# Altium PCB HealthSensors.PcbDoc (continued)
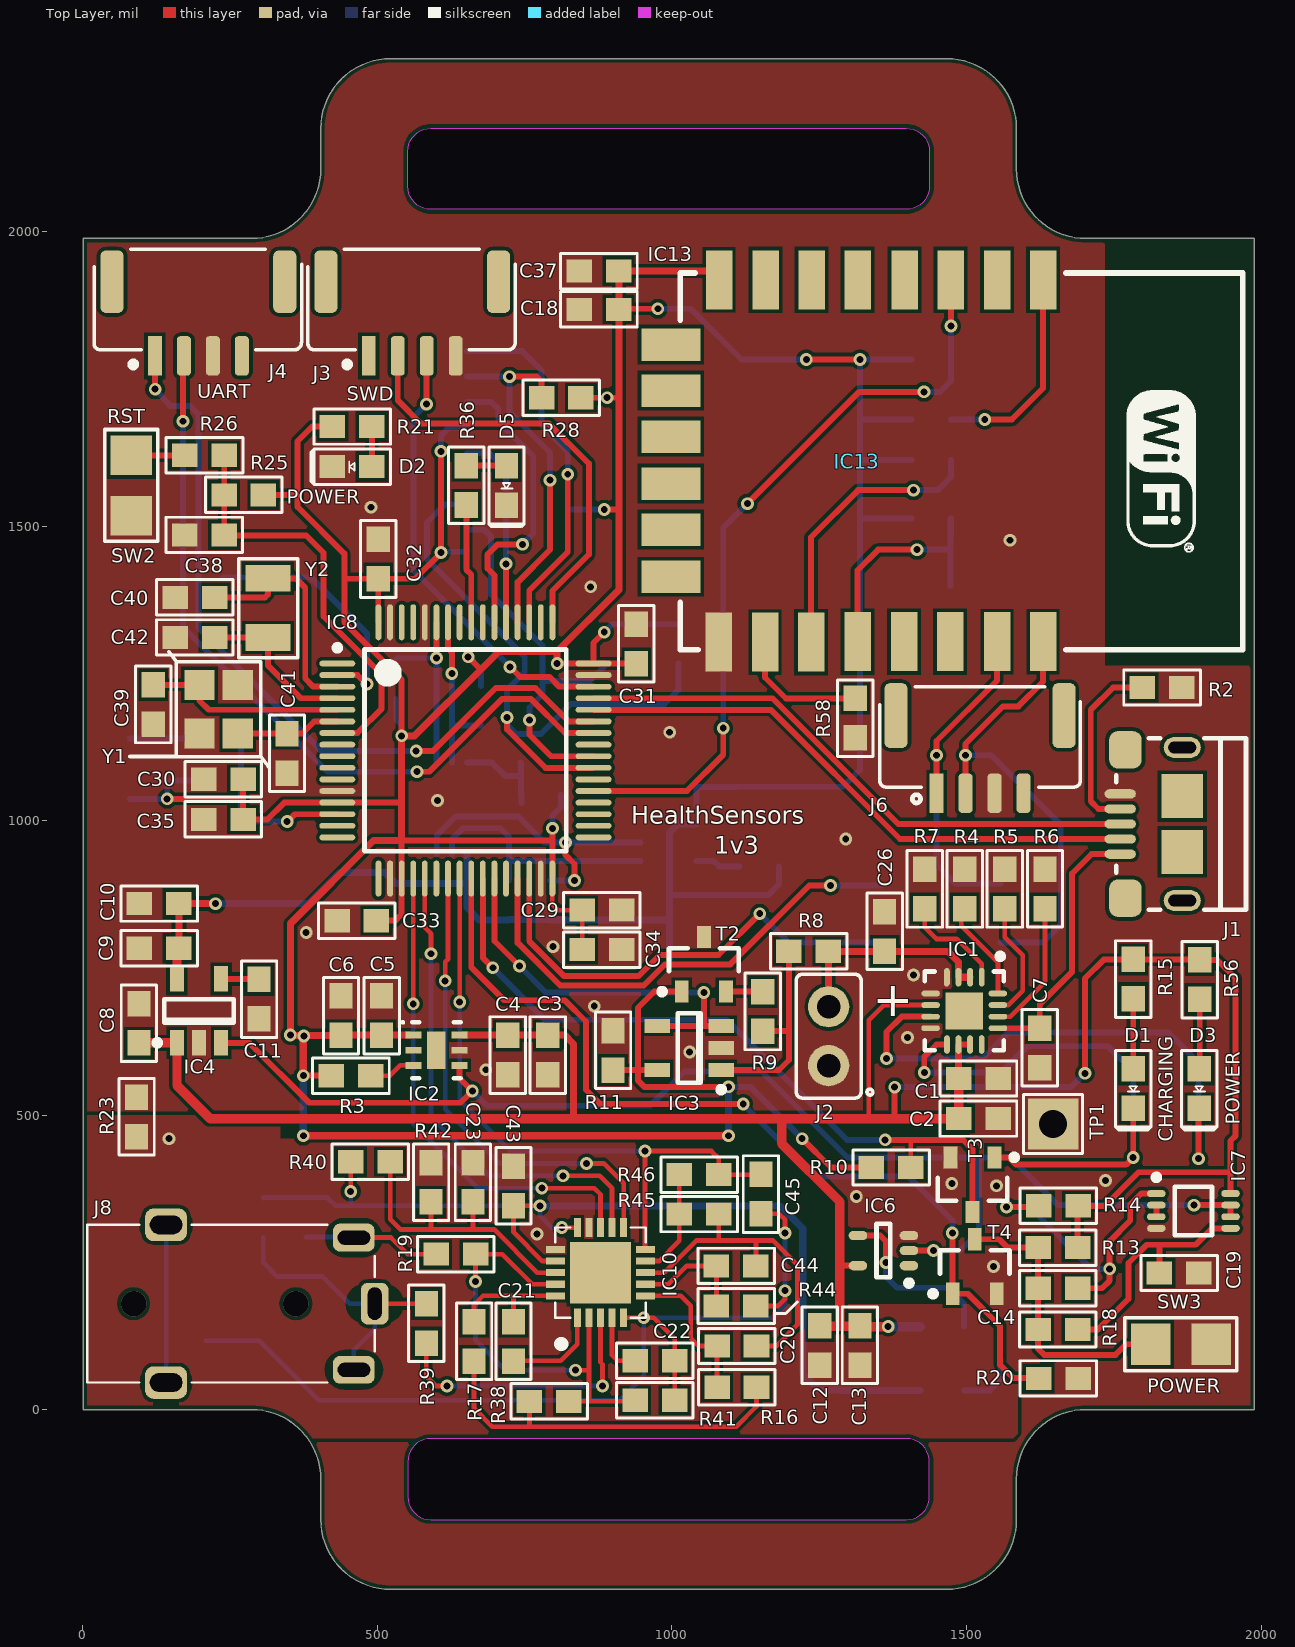
[diagram p0: Top Layer view]
## Part data
C1 C2 C3 C4 C5 C6 C7 C8 C9 C10 C11 C12 C13 C14 C15 C16 C17 C18 C19 C20 C21 C22 C23 C24 C25 C26 C27 C28 C29 C30 C31 C32 C33 C34 C35 C36 C37 C38 C39 C40 C41 C42 C43 C44 C45 C59: library part Capacitor, "SMT Capacitor"
D1 D2 D3 D5: library part LED, "Chip LED"
IC1: library part "TI BQ24232", "USB Friendly 0.5A Li+ Charger w/ Dynamic Power Management"
IC2: library part "TI LP5912-3.3V", "50 mA, 3 V TO 50 V, MICROPOWER, LOW-DROPOUT LINEAR REGULATOR"
IC3: "Op amp"
IC4: library part "TI TPS799", "TPS799 200-mA, Low-Quiescent Current, Ultralow Noise, High-PSRR Low-Dropout Linear  Regulator"
IC5: library part "TI TPS79133DBVREP", "ULTRALOW NOISE, HIGH PSRR, FAST RF, 100-mA  LOW-DROPOUT LINEAR REGULATORS"
IC6: "Inverter"
IC7: "Dual 2-Input NAND Gate With Schmitt-Trigger Inputs"
IC8: "STM32 ARM-based 32-bit MCU with 32 Kbytes Flash, 64-pin LQFP", Package=LQFP64, ComponentLink1Description=http://www.st.com/content/ccc/resource/technical/document/datasheet/ee/d5/84/2b/a9/ae/44/3d/DM00039232.pdf/files/DM00039232.pdf/jcr:content/translations/en.DM00039232.pdf, ComponentLink1URL=http://www.st.com/stonline/products/literature/ds/13586.pdf
IC9: "Pulse Oximeter and Heart-Rate Sensor"
IC10: "Single-Lead, Heart Rate Monitor Front End"
IC11: "Dual Bidirectional I2C Bus and SMBus Voltage-Level Translator"
IC13: library part ESP-12E, "Wifi module, esp12-e, based on ESP8266 chip"
J1: library part "USB 2.0 Type B Micro", "Micro usb"
J2: "2 pin header, male"
J3 J4: "Zlacze GH, meskie, poziome, 4 piny, SMD"
J5: library part "Hirose DM3 MicroSD", "Micro sd card slot"
J6: "Zlacze GH, meskie, proste, 4 piny, SMD"
J7: library part "harvin vertical smt header - single", "2 pin vertical connection smt harvin"
J8: library part "CLIFF FC68127 3.5mm", "Jack 3,5mm, dock, female"
J9: library part "harvin vertical smt header - double", "4 pin vertical connection smt harvin"
R1 R2 R3 R4 R5 R6 R7 R8 R9 R10 R11 R12 R13 R14 R15 R16 R17 R18 R19 R20 R21 R22 R23 R24 R25 R26 R27 R28 R29 R30 R31 R32 R33 R34 R35 R36 R37 R38 R39 R40 R41 R42 R43 R44 R45 R46 R51 R52 R53 R54 R56 R57 R58: library part Resistor, "SMDResistor"
SW1 SW2 SW3: library part "BUTTON-NO 2 PIN Small", "Button, SMD, Small, 2.5x3mm"
T2 T3 T4: library part N-MOSFET, "Unipolar transistor N-MOSFET"
Y1: library part "Resonator (4pin)", "Resonator"
Y2: library part Resonator, "Resonator"

## Via types
v1: diameter 21.65, hole 11.81, Top Layer to Bottom Layer, 108 vias
v2: diameter 43.31, hole 43.31, Top Layer to Bottom Layer, 2 vias

## Nets (pads, with @x,y where several pads share a name; then routed paths per layer and width w, separated by ;. In a path a pad name is that pad's centre, name@x,y a point inside that pad or via, vN(x,y) a via of type N, cw(c..) or ccw(c..) an arc to the next point about the centre after c; other vN are vias at no path point)
AGND: C12.1 C13.1 C15.1 C16.1 C17.1 C23.1 C43.1 IC5.2 IC10.14 IC10.16 R23.1 R42.1
  other v1: 771,298 146,460
AVCC: C16.2 C17.2 C43.2 IC5.5 IC10.15 IC10.17 R1.2 R12.1 R40.1 | length 1740.5
  Top Layer w8: v1(454.54,370.46) R40.1 ; C43.2@731,346 731,301 779.81,252.19 IC10.17 ; C43.2 731.53,346 v1(776,346) ; v1(813,309) IC10.15
  Bottom Layer w8: R1.2 306.53,360 R12.1 415,360 429,346 454.54,346 ; v1(454.54,370.46) 454.54,346 ; v1(813,309) 796,309 776,329 v1(776,346) 454.54,346 ; C17.2 C17.2@1286.8,32.73
  Bottom Layer w12: v1(776,346) 1183.52,346 1222,307.52 1222,61 1249.47,33.53 C17.2 ; C17.2@1286.8,32.73 IC5.5
BAT_CHG: IC8.26 R10.1 T3.3 | length 1253.8
  Top Layer w8: R10.1 1405.46,457.46 1406,458
  Top Layer w10: IC8.26 678.83,767.17 v1(695.8,750.2) ; v1(1362,458) 1406,458 1494,458 1510,442 T3.3
  Bottom Layer w10: v1(695.8,750.2) 784,662 1093,662 1297,458 v1(1362,458)
BAT_LVL: IC3.3 IC3.4 IC8.27 | length 662.5
  Top Layer w10: IC8.27 698.51,795.64 v1(741,753.15) ; IC3.4 1054,651.55 ; v1(1054,708) 1054,651.55 ; IC3.3 1054,651.55
  Bottom Layer w10: v1(741,753.15) 786.15,708 v1(1054,708)
DVCC: C9.2 C10.2 C27.2 C28.2 IC4.5 IC9.11 IC11.2 R51.2 R52.2 R53.2 | length 1595.7
  Top Layer w10: C9.2@159.6,779.98 C9.2 ; C10.2@162.77,859 C10.2
  Top Layer w12: C9.2 162.77,859 v1(225,859)
  Top Layer w15: IC4.5 C9.2@159.6,779.98
  Bottom Layer w10: R53.2 R53.2@723.47,832 ; C28.2@995.06,831.53 C28.2 ; 995.53,874 1164,874 1181.47,891.47 R51.2
  Bottom Layer w12: v1(225,859) 383,859 436,912 512,912 531,893 651,893 ; IC11.2 651.8,852.2 672.47,831.53 R53.2 ; R53.2@723.47,832 R52.2@807.3,832 ; R52.2 C28.2@995.06,831.53 ; C27.2 C28.2 995.53,874 995.53,979.53 1010.25,994.25 IC9.11
GND: C1.1 C2.1 C3.1 C4.1 C5.1 C6.1 C7.1 C8.1 C9.1 C10.1 C11.1 C18.1 C19.1 C24.1 C25.1 C26.1 C27.1 C28.1 C29.1 C30.1 C31.1 C32.1 C33.1 C34.1 C35.1 C37.1 C38.1 C39.1 C40.1 C41.1 C42.1 C59.1 D2.2 D5.2 IC1.4 IC1.5 IC1.8 IC2.5 IC3.2 IC4.2 IC6.3 IC7.4 IC8.12 IC8.18 IC8.31 IC8.47 IC8.60 IC8.63 IC9.4 IC9.12 IC11.1 IC13.15 J1.5 J2.1 J3.4 J4.3 J5.6 J5.S J6.3 J7.1 R2.1 R4.1 R5.1 R6.1 R7.1 R11.1 R20.1 R23.2 R27.1 R58.1 SW2.2 SW3.2 T2.3 T3.2 T4.2 TP1.1 Y1.2 Y1.4
  other v1: 1546,243 1313,362 1551,380 1475,384 1736,389 684,577 1030,607 1400,632 868,685 1410,738 798,786 379,810 1295,969 602,1034 996,1150 862,1397 1574,1476 489,1532
NetC1_2: C1.2 C2.2 C3.2 C4.2 C8.2 C12.2 C13.2 IC1.6 IC1.10 IC1.11 IC2.6 IC4.1 IC5.1 IC6.5 IC7.8 R13.2 R14.2 R15.1 R56.2 | length 4391.9
  Top Layer w8: 561.18,494.15 561.95,494.92 ; 1334,494.15 1334,661 1359.83,686.83 IC1.6
  Top Layer w10: IC4.1@159.26,622.53 IC4.1 ; 520.3,491.45 523,494.15 ; 1118.15,493.3 1119,494.15 ; 1285,244 1285.41,244.41 IC6.5 ; C13.2@1325.53,141.47 C13.2@1326,141 ; v1(1378,547.53) 1378,495.15 1379,494.15 ; C1.2@1486.37,562.61 C1.2 ; IC1.10 IC1.11 ; R13.2 1688.47,345 R14.2 1735,346 1792,403 1948.3,403 ; v1(1701,571) 1701,732 1733,764 1895.47,764 R56.2 1925.53,763.47 1957,732 1957,465 1948.3,456.3 1948.3,403 ; IC7.8 1948.3,403
  Top Layer w12: IC2.6 818.26,635.74 833,621 833,494.15 ; C1.2@1486.37,562.61 IC1.10
  Top Layer w16: C8.2 IC4.1@159.26,622.53 ; IC4.1 159.6,550.4 215.85,494.15 523,494.15 561.18,494.15 833,494.15 1119,494.15 1186,494.15 ; C12.2@1253,141.47 C13.2@1325.53,141.47 ; 1285,142 1285,244 1285,353 1186,452 1186,494.15 ; C13.2@1326,141 v1(1367,141) ; 1332,494.15 1186,494.15 ; 1334,494.15 1379,494.15 C2.2 C1.2
  Bottom Layer w10: v1(1378,547.53) 1677.53,547.53 v1(1701,571)
  Bottom Layer w16: v1(1367,141) IC5.1
NetC7_2: C7.2 IC1.13 J1.1 | length 441.1
  Top Layer w10: IC1.13@1563.86,647.54 1624.22,647.54 C7.2 1624.3,688.15 1679.3,743.15 1679.3,910.15 1712.22,943.07 J1.1
NetC11_2: C11.2 IC4.4 | length 64.9
  Top Layer w10: IC4.4 298.34,731.13 C11.2
NetC14_1: C14.1 R13.1 R18.2 SW3.1 T4.3 | length 488
  Top Layer w10: T4.3 1555.74,289.26 1570,275 R13.1 C14.1 R18.2 1621.53,103.47 1632,93 1753,93 1771,111 SW3.1
NetC14_2: C14.2 IC7.1 R14.1 | length 529.4
  Top Layer w10: v1(1568,344) 1620.54,344 R14.1 ; C14.2 1730,206 1743,219 v1(1743,239) 1743,286 1778,321 1778,348 1796.83,366.83 IC7.1
  Bottom Layer w10: v1(1568,344) 1607,344 1712,239 v1(1743,239)
NetC15_2: C15.2 IC5.4 | length 105.1
  Bottom Layer w10: IC5.4 1539.73,32.73 1558,51 C15.2
NetC19_2: C19.2 IC7.5 R18.1 | length 414.7
  Top Layer w10: R18.1 1723,136 1775,188 1775,249 1806,280 1827.53,280 ; C19.2 1827.53,280 ; IC7.5 1916.78,307.78 1889,280 1827.53,280
NetC20_2: C20.2 IC10.6 R16.2 | length 259.3
  Top Layer w8: IC10.6 1014.87,193.13 1032,176 1032,121 1045,108 C20.2 1076.53,39 R16.2@1075.53,38
NetC21_1: C21.1 IC10.20 R17.2 | length 216.5
  Top Layer w8: R17.2 664,178 679.13,193.13 IC10.20 ; C21.1 731,193
NetC21_2: C21.2 IC10.1 | length 163.7
  Top Layer w8: C21.2@732,83 811,83 839.26,111.26 IC10.1
NetC22_1: C22.1 C45.2 IC10.5 R41.1 R43.1 R44.2 | length 1614.6
  Top Layer w8: IC10.5 v1(952,156) 969,156 1004.46,120.54 C22.1 R41.1 ; R44.2 1180,176 1192,188 v1(1192,202) ; C45.2 1181.47,332.53 1192,322 v1(1192,300)
  Bottom Layer w8: R43.1 299,117 400,16 911,16 952,57 v1(952,156) 1171,156 1192,177 v1(1192,202) v1(1192,300)
NetC22_2: C22.2 IC10.4 | length 106.5
  Top Layer w8: IC10.4 898.31,92.69 908,83 C22.2
NetC23_2: C23.2 IC10.18 R40.2 R42.2 | length 508.9
  Top Layer w8: R40.2 521.47,323.53 539,306 591,306 ; R42.2 591,306 ; C23.2 662,306 ; IC10.18 771.5,232.5 698,306 662,306 ; 591,306 662,306
NetC26_2: C26.2 IC1.2 IC1.3 J2.2 R8.2 | length 368.2
  Top Layer w12: R8.2 R8.2@1266,778.15 ; J2.2 R8.2@1266,778.15 ; IC1.2 IC1.3 1486.37,760.08 1468.3,778.15 R8.2@1266,778.15
NetC36_1: C36.1 IC8.14 R24.1 R27.2 | length 311.1
  Top Layer w10: v1(346.7,998.3) 359.28,1010.88 IC8.14
  Bottom Layer w10: R24.1 C36.1 268.31,999.29 R27.2 v1(346.7,998.3)
NetC38_2: C38.2 IC8.7 R25.1 R26.1 | length 714.7
  Top Layer w10: R26.1 239.76,1484.15 378.85,1484.15 408.3,1454.7 408.3,1346.7 507,1248 507,1189.85 465.83,1148.68 IC8.7
NetC39_2: C39.2 IC8.5 Y1.1 | length 345.8
  Top Layer w10: C39.2 119.43,1230.49 Y1.1 197.8,1203.65 213.3,1188.15 IC8.5@431.78,1188.15
NetC40_2: C40.2 IC8.3 Y2.2 | length 403.9
  Top Layer w10: C40.2 309,1379 314.3,1384.3 Y2.2 361.1,1411.35 377.3,1395.15 377.3,1241.15 391.03,1227.42 IC8.3
NetC41_2: C41.2 IC8.6 Y1.3 | length 177.6
  Top Layer w10: Y1.3 C41.2@346.3,1147.81 ; C41.2 371.77,1147.62 392.51,1168.36 IC8.6
NetC42_2: C42.2 IC8.4 Y2.1 | length 279.1
  Top Layer w10: C42.2 314.25,1311 Y2.1 314.3,1263.15 369.72,1207.73 IC8.4
NetC44_2: C44.2 IC10.7 R44.1 | length 202.3
  Top Layer w8: IC10.7@954.13,212.82 IC10.7 993.81,212.82 1025,244 C44.2 R44.1
NetC45_1: C45.1 IC8.24 IC10.10 R46.1 | length 1124
  Top Layer w8: v1(639.46,692) IC8.24 ; IC10.10 954,273 v1(954,439) 1067,439 1079.46,426.54 R46.1 1150.54,399 C45.1
  Bottom Layer w8: v1(639.46,692) 639.46,525.54 726,439 v1(954,439)
NetC59_2: C59.2 IC11.7 IC11.8 R32.1 | length 170.6
  Bottom Layer w10: IC11.7 IC11.8 694.24,1098.76 717,1076 743.53,1076 ; C59.2@742.77,1098.76 743.53,1098 743.53,1076 ; R32.1@744.54,1030 R32.1 743.53,1045.01 743.53,1076
NetD1_1: D1.1 R15.2 | length 119.1
  Top Layer w10: D1.1 R15.2
NetD1_2: D1.2 IC1.9 T3.1 | length 940.3
  Top Layer w10: v1(1428.3,572.15) 1428.3,599.3 1448.91,619.91 IC1.9 ; T3.1 1571.74,428.26 1584,416 1771,416 v1(1783,428) D1.2
  Bottom Layer w10: v1(1428.3,572.15) 1558.15,572.15 1603,617 1740,617 1783,574 v1(1783,428)
NetD2_1: D2.1 R21.1 | length 68
  Top Layer w10: D2.1 R21.1
NetD3_1: D3.1 R56.1 | length 119.9
  Top Layer w10: D3.1@1895,571.46 D3.1@1896,572.46 ; D3.1 1896,579.46 R56.1
NetD3_2: D3.2 IC1.7 | length 942.3
  Top Layer w10: v1(1364,596) 1364,641 1390.15,667.15 IC1.7 ; v1(1894,426) 1894,503.53 D3.2@1895,504.53
  Bottom Layer w10: v1(1364,596) 1527,596 1571,640 1843,640 1894,589 v1(1894,426)
NetD5_1: D5.1 R36.1 | length 68.3
  Top Layer w10: R36.1 718.7,1602.76 D5.1
NetIC1_1: IC1.1 R7.2 | length 176.7
  Top Layer w8: R7.2 1429,819 1448.85,799.15 1483.3,799.15 1525.74,756.71 IC1.1
NetIC1_14: IC1.14 R6.2 | length 228.9
  Top Layer w8: IC1.14 1574.14,667.15 1633.3,726.31 R6.2
NetIC1_15: IC1.15 R5.2 | length 204
  Top Layer w8: IC1.15 1570.98,686.83 1595.3,711.15 1595.3,771.7 1565,802 R5.2
NetIC1_16: IC1.16 R4.2 | length 169.8
  Top Layer w8: R4.2@1491.3,850.68 1491.3,821.15 1553.3,759.15 IC1.16
NetIC2_3: IC2.3 R3.1 | length 79.8
  Top Layer w8: R3.1 521,567 538.56,584.56 IC2.3
NetIC2_4: IC2.4 IC4.3 IC6.2 IC7.6 IC7.7 | length 2223.9
  Top Layer w10: IC4.3 234,622.46 282.54,622.46 384,521 641,521 v1(661,541) 639.3,562.7 IC2.4 ; IC6.2 v1(1444,270) ; v1(1886.15,347.15) IC7.7 IC7.6
  Bottom Layer w10: v1(661,541) 686,516 963.15,516 1021.15,574 1152,574 1297.85,428.15 1521,428.15 ; v1(1444,270) 1489,270 1521,302 1521,428.15 ; v1(1886.15,347.15) 1655.85,347.15 1574.85,428.15 1521,428.15
NetIC3_1: IC3.1 R8.1 R9.2 | length 351.2
  Top Layer w10: IC3.1 1181.75,576.75 1198.54,593.54 1198.54,642.53 ; R9.2 1198.54,642.53 ; R8.1 1198.54,642.53
NetIC5_3: IC5.3 IC6.4 | length 301.9
  Top Layer w10: IC6.4 1353.59,295.59 1363,286.18 v1(1363,250)
  Bottom Layer w10: v1(1363,250) 1363,226 1382,207 1468,207 1496,179 IC5.3
NetIC7_2: IC7.2 IC7.3 | length 19.7
  Top Layer w10: IC7.3 IC7.2
NetIC8_2: IC8.2 J5.10 | length 425.2
  Top Layer w10: IC8.2 465.9,1247.1 481,1232 v1(482,1232)
  Bottom Layer w10: J5.10 386.87,1413.13 482,1318 v1(482,1232)
NetIC8_20: IC8.20 IC10.13 | length 840.3
  Top Layer w8: v1(560.72,689) IC8.20 ; v1(779,376) 868,376 878.63,365.37 IC10.13
  Bottom Layer w8: v1(560.72,689) 560.72,485.28 670,376 v1(779,376)
NetIC8_21: IC8.21 IC10.12 | length 833.9
  Top Layer w8: IC8.21 580.4,818.6 591,808 v1(591,774) ; v1(815,397) 877,397 898.31,375.69 IC10.12
  Bottom Layer w8: v1(591,774) 591,496 690,397 v1(815,397)
NetIC8_23: IC8.23 IC10.11 | length 823.8
  Top Layer w8: v1(615,728) 615,760 619.77,764.77 IC8.23 ; v1(855,418) 884,418 918,384 IC10.11
  Bottom Layer w8: v1(615,728) 615,510 707,418 v1(855,418)
NetIC8_29: IC8.29 J9.3 | length 826.7
  Top Layer w10: IC8.29 737.88,792.45 810.33,720 952,720 988,756 1099,756 1233,890 v1(1269,890)
  Bottom Layer w10: v1(1269,890) J9.3@1355,890
NetIC8_30: IC8.30 J9.1 | length 795.5
  Top Layer w10: IC8.30 757.57,795.39 816.96,736 943,736 979,772 1079,772 v1(1149,842)
  Bottom Layer w10: v1(1149,842) 1198,793 J9.1@1358,793
NetIC8_37: IC8.37 IC13.3 R22.1 | length 1292.3
  Top Layer w10: IC8.37 1025.25,1050.25 1087,1112 v1(1087,1157) ; v1(1128,1538) 1318,1728 v1(1428,1728) ; IC13.3 1473.46,1917.54 v1(1473.46,1839.54)
  Bottom Layer w10: v1(1087,1157) 1087,1497 v1(1128,1538) ; v1(1428,1728) 1455,1728 1473.46,1746.46 R22.1 v1(1473.46,1839.54)
NetIC8_39: IC8.39 J5.7 R31.2 | length 1072
  Top Layer w10: v1(720,1175) 720,1155 785.38,1089.62 IC8.39
  Bottom Layer w10: J5.7 615.14,1537.14 584.17,1506.17 584.17,1443.83 750,1278 750,1252.3 720,1222.3 v1(720,1175) 720,1163 735.83,1147.17 777.32,1147.17 828.15,1198 987,1198 1011,1222 R31.2
NetIC8_40: IC8.40 J5.8 R30.2 | length 722.2
  Top Layer w10: v1(758,1171) 758,1146 794.69,1109.31 IC8.40
  Bottom Layer w10: J5.8 681.17,1493.83 693,1482 693,1384 780,1297 780,1237 ; v1(758,1171) 758,1192 780,1214 780,1237 ; R30.2 889.53,1266.53 860,1237 780,1237
NetIC8_42: IC8.42 J4.2 | length 1334.2
  Top Layer w10: J4.2@169.74,1789.02 170,1788.76 v1(170,1678) ; v1(567,1083) 588,1083 711.15,1206.15 760.85,1206.15 818.32,1148.68 IC8.42
  Bottom Layer w10: v1(170,1678) 170,1328 415,1083 v1(567,1083)
NetIC8_43: IC8.43 J4.1 | length 1337.4
  Top Layer w10: v1(122.53,1732.47) J4.1@122.53,1790.02 ; v1(565.72,1118) 594,1118 701,1225 768,1225 824.64,1168.36 IC8.43
  Bottom Layer w10: v1(122.53,1732.47) 148,1704 182,1704 196,1690 196,1327.46 405.46,1118 v1(565.72,1118)
NetIC8_46: IC8.46 J3.3 | length 761
  Top Layer w10: v1(583,1707) 583,1788.4 J3.3 ; v1(725,1261) 742,1244 792,1244 808.58,1227.42 IC8.46
  Bottom Layer w10: v1(583,1707) 561,1685 561,1425 v1(725,1261)
NetIC8_49: IC8.49 J3.2 | length 739.6
  Top Layer w10: J3.2 534.39,1713.61 574,1674 791,1674 859,1606 859,1452 796.94,1389.94 IC8.49
NetIC8_51: IC8.51 J5.1 R29.2 | length 613.3
  Top Layer w10: IC8.51 757.57,1390.57 823,1456 v1(823,1588)
  Bottom Layer w10: J5.1 746.02,1796.98 778.53,1764.47 R29.2 778.53,1671.47 823,1627 v1(823,1588)
NetIC8_52: IC8.52 J5.2 R28.2 | length 625.7
  Top Layer w10: v1(724,1753.68) 770.32,1753.68 778.53,1745.47 R28.2 ; IC8.52 737.88,1404.88 793,1460 v1(793,1578)
  Bottom Layer w10: J5.2 v1(724,1753.68) 724,1694 793,1625 v1(793,1578)
NetIC8_53: IC8.53 J5.5 | length 336.8
  Top Layer w10: v1(718,1436) 718,1336.87 IC8.53
  Bottom Layer w10: J5.5 690.24,1623.76 718,1596 v1(718,1436)
NetIC8_54: IC8.54 J5.3 R33.2 | length 506.1
  Top Layer w10: IC8.54 698.51,1416.49 687,1428 687,1452 704,1469 v1(746,1469)
  Bottom Layer w10: J5.3 693.63,1710.37 705,1699 705,1678 764.53,1618.47 R33.2 764.53,1487.53 v1(746,1469)
NetIC8_56: IC8.56 R36.2 | length 202.6
  Top Layer w10: R36.2 650.85,1426.15 659.14,1417.86 IC8.56
NetIC8_58: IC8.58 IC11.6 R54.1 | length 290.6
  Top Layer w10: IC8.58 619.77,1292.23 626.2,1285.8 v1(626.2,1249.8)
  Bottom Layer w10: IC11.6 626.2,1162 ; v1(626.2,1249.8) 626.2,1162 ; R54.1 626.66,1161.54 626.2,1162
NetIC8_59: IC8.59 IC11.5 R35.1 | length 307.8
  Top Layer w10: v1(600,1276) 600,1336.58 IC8.59
  Bottom Layer w8: R35.1 532.54,1276 v1(600,1276) ; IC11.5@600,1099.37 IC11.5
  Bottom Layer w10: IC11.5@600,1099.37 v1(600,1276)
NetIC9_2: IC9.2 IC11.3 R53.1 | length 434.6
  Bottom Layer w10: IC11.3 626.2,968.2 645,987 709,987 723,973 723,933 ; R53.1 723,933 ; IC9.2 724.74,931.26 723,933
NetIC9_3: IC9.3 IC11.4 R52.1 | length 523
  Top Layer w10: v1(819,963) 819,942 834.5,926.5 v1(834.5,898.5)
  Bottom Layer w10: IC11.4 600.61,974.61 633,1007 739,1007 783.24,962.76 v1@820,962.76 ; R52.1 793.04,898.5 v1(834.5,898.5) ; v1(819,963) 819.76,963 v1@820,962.76 ; IC9.3 v1@820,962.76
NetIC9_13: IC9.13 R51.1 | length 76.9
  Bottom Layer w10: IC9.13 1070.74,931.26 1080,922 R51.1
NetIC10_2: IC10.2 IC10.19 R19.1 R38.1 R41.2 | length 752.3
  Top Layer w8: v1(666.46,217.46) R19.1 712,264 763.18,212.82 IC10.19 ; R38.1 858.94,14 ; v1(836,67) 858.94,67 ; IC10.2 858.94,67 ; R41.2@918.53,14 858.94,14 ; 858.94,14 858.94,67
  Bottom Layer w8: v1(666.46,217.46) 666.46,117.54 717,67 v1(836,67)
NetIC10_3: IC10.3 R39.1 | length 479.5
  Top Layer w8: R39.1 583,57 600,40 v1(618,40) ; IC10.3 878.63,80.37 882,77 v1(882,40)
  Bottom Layer w8: v1(618,40) v1(882,40)
NetIC10_9: IC10.9 R45.1 R46.2 | length 185.1
  Top Layer w8: IC10.9@954.13,252.19 978.18,252.19 1012.54,286.54 R45.1 R46.2@1012.54,398.99
NetIC13_1: IC13.1 R37.1 | length 362.5
  Top Layer w10: v1(1531,1681) 1577,1681 1630,1734 IC13.1
  Bottom Layer w10: R37.1 v1(1531,1681)
NetIC13_16: IC13.16 R58.2 | length 227.7
  Top Layer w10: IC13.16 1158,1243 1193.53,1207.47 R58.2
NetIC13_17: IC13.17 R34.1 | length 486.4
  Top Layer w10: IC13.17 1236,1481 1316,1561 v1(1410,1561)
  Bottom Layer w10: v1(1410,1561) 1451,1561 1473.46,1583.46 R34.1
NetIC13_18: IC13.18 J7.2 R57.1 | length 438.6
  Top Layer w10: IC13.18 1315,1425 1350,1460 v1(1416,1460)
  Bottom Layer w10: v1(1416,1460) 1472,1460 1473,1459 ; J7.2 1473,1459 ; 1473.46,1483.46 R57.1 1473,1512.54 1473,1459
NetIC13_21: IC13.21 J6.1 J9.4 | length 608.2
  Top Layer w10: J6.1 v1(1449.18,1111) 1449.18,1135.18 1552,1238 IC13.21
  Bottom Layer w10: v1(1449.18,1111) 1449.18,924.82 1481,893 J9.4@1558,893
NetIC13_22: IC13.22 J6.2 J9.2 | length 822.1
  Top Layer w10: J6.2 v1(1498.39,1111) 1498.39,1130.39 1562,1194 1588,1194 1630,1236 IC13.22
  Bottom Layer w10: v1(1498.39,1111) 1542,1111 1660,993 1660,823 1630,793 J9.2@1558,793
NetJ1_4: J1.4 R2.2 | length 313.7
  Top Layer w10: J1.4 1724.16,1019.84 1711,1033 1711,1188 1749,1226 R2.2
NetJ8_1S: J8.1S J8.6SR R1.1 R39.2 | length 475.5
  Top Layer w8: J8.1S R39.2@583,179.86
  Bottom Layer w8: R1.1 306,250 330,226 407,226 453.14,179.86 J8.1S 495.33,136.33 459.9,100.9 J8.6SR
NetJ8_2R: J8.2R R12.2 R19.2 | length 233.6
  Top Layer w8: J8.2R 522.94,292.06 551,264 R19.2
  Bottom Layer w8: R12.2 458.89,293.07 J8.2R
NetJ8_3T: J8.3T R43.2 | length 268.2
  Bottom Layer w8: J8.3T@141,46 141.53,46.53 R43.2 141.53,313.19 J8.3T@141,313.72
NetR9_1: R9.1 T2.2 | length 62.7
  Top Layer w10: T2.2 1153.72,709.74 R9.1
NetR16_1: R16.1 R17.1 R38.2 | length 663
  Top Layer w8: R17.1 664,2 695,-29 759,-29 ; R38.2 758.06,-28.06 759,-29 ; R16.1 1143.46,5.46 1109,-29 759,-29
NetR24_2: R24.2 SW1.2 | length 121.4
  Bottom Layer w10: SW1.2 201.26,1139.18 R24.2
NetR26_2: R26.2 SW2.1 | length 91.1
  Top Layer w10: SW2.1 R26.2 R26.2@172.65,1620.33
PWR_SD: IC8.25 R20.2 T4.1 | length 1583.2
  Top Layer w10: IC8.25 659.14,750.86 715,695 818,695 854,659 854,543 878,519 v1(1121,519) ; v1(1476,300) 1476,198.14 1477,197.14 T4.1 1502.26,196.74 1557,142 1557,76 1579,54 1621.53,54 R20.2
  Bottom Layer w10: v1(1121,519) 1121,518 1243,396 1401,396 1476,321 v1(1476,300)
REFOUT: C20.1 C44.1 IC10.8 R45.2 | length 573.3
  Top Layer w8: IC10.8@954.13,232.5 IC10.8 986.5,232.5 1041,287 1079,287 ; R45.2 1079.47,287.47 1079,287 ; C44.1 1142.46,286.54 1142,287 ; C20.1 1177,108 1213,144 1213,246 1172,287 1142,287 ; 1079,287 1142,287
USB_DM: IC8.44 J1.2 | length 985
  Top Layer w10: IC8.44 1167.7,1188.05 1387.08,968.66 J1.2
USB_DP: IC8.45 J1.3 | length 982.6
  Top Layer w10: IC8.45 1170.64,1207.73 1384.12,994.25 J1.3
VCC: C5.2 C6.2 C18.2 C24.2 C25.2 C29.2 C30.2 C31.2 C32.2 C33.2 C34.2 C35.2 C36.2 C37.2 IC2.1 IC3.5 IC8.13 IC8.19 IC8.32 IC8.48 IC8.64 IC9.9 IC9.10 IC13.8 J5.4 J5.9 R3.2 R10.2 R11.2 R21.2 R22.2 R25.2 R28.1 R29.1 R30.1 R31.1 R32.2 R33.1 R34.2 R35.2 R37.2 R54.2 R57.2 SW1.1 T2.1 | length 8941.5
  Top Layer w8: v1(375,634.53) v1@376,635.53 ; C6.2@439,627.53 C6.2@439.21,627.74 ; 662,465 663,464 ; IC8.32 796.94,858.06 807,848 C29.2 C34.2
  Top Layer w10: v1(143,1037) 271.77,1037 ; C30.2 271.77,1037 ; R25.2 364.33,1553 ; 351,714.15 352,714.15 ; v1(374,567) R3.2 ; R21.2 389.47,1669 364.33,1643.86 364.33,1553 ; C33.2 530.15,830.15 540,840 ; IC8.64 501.3,1337.03 C32.2 ; 541.03,840 IC8.19 541.03,966 796.83,966 ; 541.03,1030.57 IC8.13 341.72,1030.57 313.3,1002.15 C35.2 271.77,1037 ; 541.03,1066 542.03,1067 ; v1@541.03,1145 541.03,1239.42 443.68,1336.78 443.68,1410.68 ; v1(608,1627) v1(608,1455) 563.68,1410.68 C32.2 ; v1(654,1278) 673,1259 678,1259 ; IC8.32@796.83,876 796.83,966 ; v1(797,987) 797,966.17 796.83,966 ; v1(805,1266.79) IC8.48 ; R28.1 v1(890,1718) 910,1718 ; v1(885,1320) 866.82,1301.82 IC8.48 ; v1(885,1528) 910,1528 ; R11.2 900.22,576.75 942,576.75 ; C18.2@918,1869 v1(976,1869) ; C31.2 939.19,1266.79 IC8.48 ; IC3.5@970.3,576.75 942,576.75 ; T2.1@1016.3,709.89 969.89,709.89 942,682 942,576.75 ; v1(1096,548) 953,548 942,559 942,576.75 ; v1(1221,460) 1270,411 R10.2 ; v1(1228,1783) v1(1319,1783) ; 364.33,1553 364.33,1532.67 443.68,1453.32 443.68,1410.68 ; 443.68,1410.68 C32.2
  Top Layer w12: v1(374,465) 662,465 v1(1096,465) ; v1(374,567) 374,633.53 v1(375,634.53) ; C6.2 376,635.53 352.47,635.53 v1(352,636) 352,714.15 352,825 493,966 541.03,966 541.03,1030.57 541.03,1066 v1(541.03,1144) 563,1144 678,1259 706,1287 805,1287 ; C6.2@438.21,635.74 IC2.1 ; v1(805,1266.79) 805,1287 ; C37.2@901.47,1933 C37.2 1065,1933 IC13.8 ; C37.2@910,1924.47 910,1718 910,1528 910,1392 805,1287
  Bottom Layer w8: v1(352,636) v1@353.47,634.53 ; R35.2 531,1171 541.03,1160.97 v1(541.03,1144)
  Bottom Layer w10: SW1.1 142.82,1036.82 v1(143,1037) 143,1060 151.3,1068.3 C36.2 ; v1(608,1455) 609.43,1456.43 J5.9 ; v1(608,1627) 608,1654 621.06,1667.06 J5.4 ; v1(654,1278) 676,1256 R54.2 ; v1(797,987) 797,1007.66 796.83,1007.83 811.47,1022.47 R32.2 ; R33.1 v1(885,1528) ; R29.1 v1(890,1718) ; v1(885,1320) 898.46,1333.46 R30.1 R31.1 ; v1(976,1869) 1032,1869 1118,1783 v1(1228,1783) ; IC9.10 IC9.9 1111.77,1057.24 C25.2 C24.2 1290.47,1057.47 1319,1086 1319,1513 ; v1(1096,548) 1133,548 v1(1221,460) ; R57.2 1319,1513 ; R34.2 1320,1612 1319,1613 ; R37.2 1320,1681 1319,1680 ; R22.2 v1(1319,1783) 1319,1680 ; 1319,1513 1319,1613 ; 1319,1613 1319,1680
  Bottom Layer w12: v1@353.47,634.53 v1(375,634.53) ; v1(374,465) v1(374,567) ; v1(1096,465) v1(1096,548)
pads on no net: IC1.12 IC1.17 IC2.2 IC2.7 IC6.1 IC8.1 IC8.8 IC8.9 IC8.10 IC8.11 IC8.15 IC8.16 IC8.17 IC8.22 IC8.28 IC8.33 IC8.34 IC8.35 IC8.36 IC8.38 IC8.41 IC8.50 IC8.55 IC8.57 IC8.61 IC8.62 IC9.1 IC9.5 IC9.6 IC9.7 IC9.8 IC9.14 IC10. IC13.2 IC13.4 IC13.5 IC13.6 IC13.7 IC13.9 IC13.10 IC13.11 IC13.12 IC13.13 IC13.14 IC13.19 IC13.20 J1.S J3.1 J3.M1 J3.M2 J4.4 J4.M1 J4.M2 J6.4 J6.5 J6.6
copper on no net:
  other v2: 85.88,179.86 361.47,179.86

## Polygon pours and split planes (outlines as drawn)
GND on Top Layer "GND TOP" (solid, remove dead copper, pour order 9): 0.16,0.16 285.59,0.16 cw(c285.59,-117.95) 403.7,-117.95 403.7,-186.85 ccw(c521.81,-186.85) 521.81,-304.96 1466.69,-304.96 ccw(c1466.69,-186.85) 1584.8,-186.85 1584.8,-117.95 cw(c1702.91,-117.95) 1702.91,0.16 1988.35,0.16 1988.35,1988.35 1702.91,1988.35 cw(c1702.91,2106.46) 1584.8,2106.46 1584.8,2175.35 ccw(c1466.69,2175.35) 1466.69,2293.46 521.81,2293.46 ccw(c521.81,2175.35) 403.7,2175.35 403.7,2106.46 cw(c285.59,2106.46) 285.59,1988.35 0.16,1988.35
AGND on Top Layer "AGND TOP" (solid, remove dead copper, pour order 4): 0,495 5,500 335,500 335,460 1252,460 1253,461 1253,179 1586,179 1587,178 1587,-41 1579,-49 384,-49 350,-15 339,-15 327,-3 3,-3 0,0
GND on Bottom Layer "GND BOTTOM" (solid, remove dead copper, pour order 10): 0.16,0.16 285.59,0.16 cw(c285.59,-117.95) 403.7,-117.95 403.7,-186.85 ccw(c521.81,-186.85) 521.81,-304.96 1466.69,-304.96 ccw(c1466.69,-186.85) 1584.8,-186.85 1584.8,-117.95 cw(c1702.91,-117.95) 1702.91,0.16 1988.35,0.16 1988.35,1988.35 1702.91,1988.35 cw(c1702.91,2106.46) 1584.8,2106.46 1584.8,2175.35 ccw(c1466.69,2175.35) 1466.69,2293.46 521.81,2293.46 ccw(c521.81,2175.35) 403.7,2175.35 403.7,2106.46 cw(c285.59,2106.46) 285.59,1988.35 0.16,1988.35
AGND on Bottom Layer "AGND BOTTOM" (solid, remove dead copper, pour order 7): 0,495 5,500 335,500 335,460 1252,460 1253,461 1253,179 1586,179 1587,178 1587,-41 1579,-49 384,-49 350,-15 339,-15 327,-3 3,-3 0,0

## Other copper
Top Layer:
  pour cut-out: 1979,1263 1735,1263 1735,1979 1979,1979
Bottom Layer:
  pour cut-out: 1979,1263 1735,1263 1735,1979 1979,1979

## Silkscreen, mask and mechanical layers (free items; w line width, h text height)
Top Overlay:
  lines w5: 1174,163 1192,163 ; 1193,163 1213,183
  lines w7: 80.3,1109.15 157,1109
  text "UART" at 194,1717 h24
  text "SWD" at 448,1713 h24
  text "RST" at 41,1675 h24
  text "POWER" at 346,1538 h24
  text "HealthSensors" at 931,995 h30
  text "1v3" at 1072,944 h30
  text "+" at 1341,668 h60
  text "POWER" at 1964,484 h24 r90
  text "CHARGING" at 1850,455 h24 r90
  text "POWER" at 1807,29 h24
Bottom Overlay:
  text "BOOT" at 125,1193 h24
Mechanical 1:
  lines w10: 0.16,1988.35 285.59,1988.35 ccw(c285.59,2106.46) 403.7,2106.46 403.7,2175.35 cw(c521.81,2175.35) 521.81,2293.46 1466.69,2293.46 cw(c1466.69,2175.35) 1584.8,2175.35 1584.8,2106.46 ccw(c1702.91,2106.46) 1702.91,1988.35 1988.35,1988.35 1988.35,0.16 1702.91,0.16 ccw(c1702.91,-117.95) 1584.8,-117.95 ; 0.16,1998.35 0.16,0.16 285.59,0.16 cw(c285.59,-117.95) 403.7,-117.95 403.7,-186.85 ccw(c521.81,-186.85) 521.81,-304.96 1466.69,-304.96 ccw(c1466.69,-186.85) 1584.8,-186.85 1584.8,-117.95 ; 1584.8,-117.95 1584.8,-117.95 ; 551.34,-147.48 ccw(c590.71,-147.48) 590.71,-186.85 1397.8,-186.85 ccw(c1397.8,-147.48) 1437.17,-147.48 1437.17,-88.43 ccw(c1397.8,-88.43) 1397.8,-49.05 590.71,-49.06 ccw(c590.71,-88.43) 551.34,-88.43 551.34,-147.48 ; 551.34,2076.93 ccw(c590.71,2076.93) 590.71,2037.56 1397.8,2037.56 ccw(c1397.8,2076.93) 1437.17,2076.93 1437.17,2135.98 ccw(c1397.8,2135.98) 1397.8,2175.35 590.71,2175.35 ccw(c590.71,2135.98) 551.34,2135.98 551.34,2076.93

## Text inside footprints (layer, text, board x,y; h text height)
IC13: Mechanical 13 "CUTOUT POLYGON" at 1924.59,1917.96 h10 r270; Mechanical 13 "ANTENNA AREA" at 1944.59,1917.96 h10 r270